# Altium PCB Einsy_Rambo.PcbDoc (part 3 of 4) (continued)
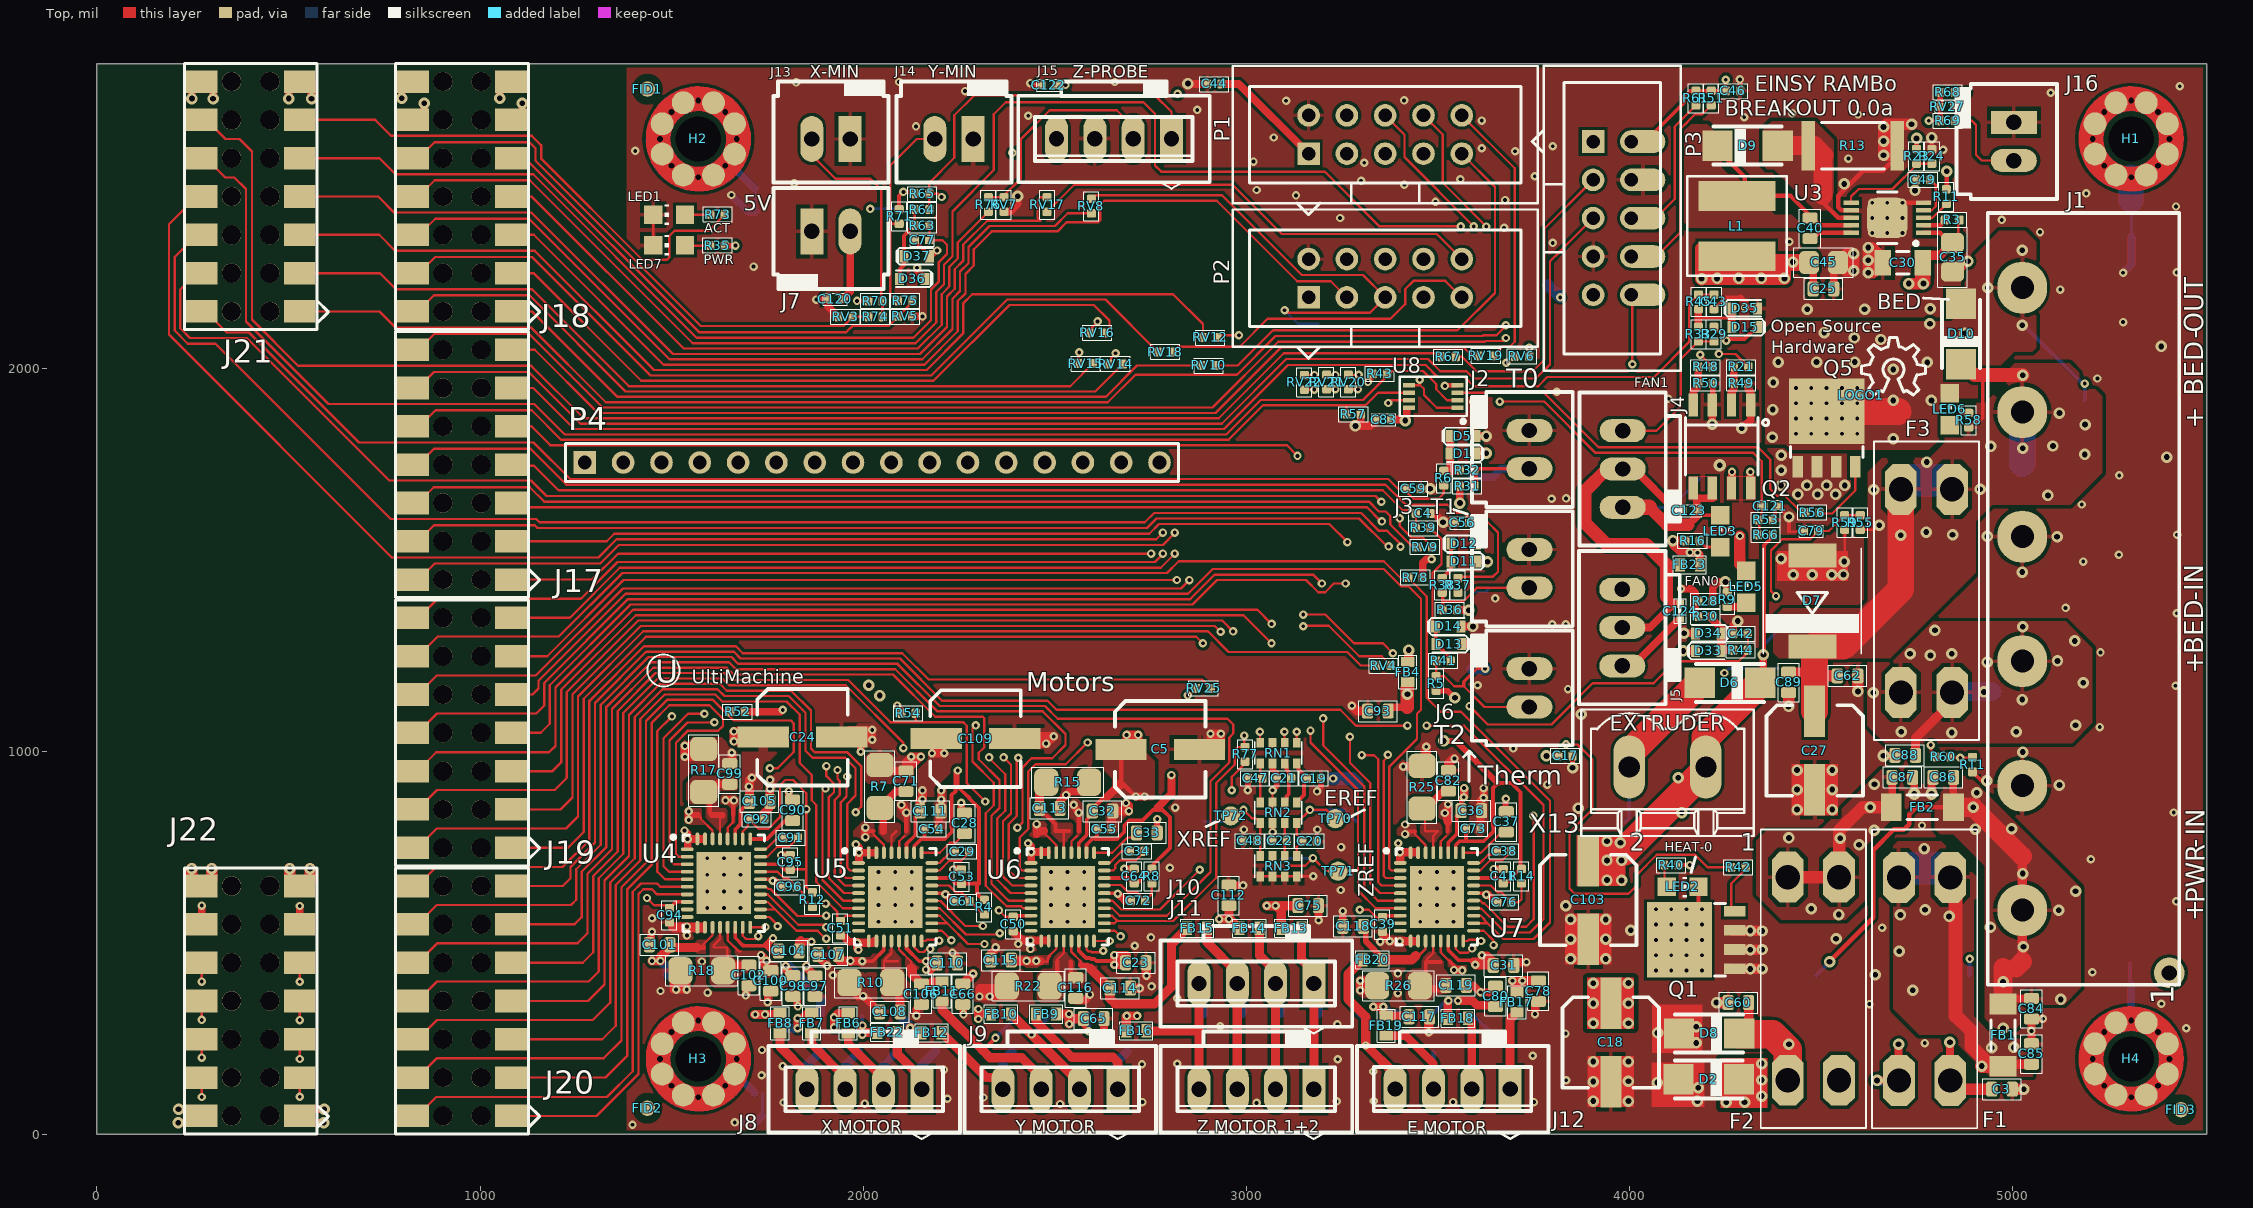
[diagram p0: Top view]
## Nets (pads, with @x,y where several pads share a name; then routed paths per layer and width w, separated by ;. In a path a pad name is that pad's centre, name@x,y a point inside that pad or via, vN(x,y) a via of type N, cw(c..) or ccw(c..) an arc to the next point about the centre after c; other vN are vias at no path point) (continued)
PG3: J18.3 RV16.2 | length 1815.3
  Top w6: J18.3@1080.91,2248.28 1139.76,2248.28 1420.79,1967.25 2183.83,1967.25 2381.83,2165.25 2602.03,2165.25 2643.03,2124.25 2643.03,2105.25 RV16.2@2629.78,2092
PG4: J18.2 RV14.2 | length 2003.8
  Top w6: J18.2@825,2148.28 837.99,2148.28 879.92,2190.21 1128.94,2190.21 1379.9,1939.25 2606.03,1939.25 RV14.2@2677.78,2011
PH2: J17.13 RV19.1 | length 2674.4
  Top w6: J17.13@1080.91,2048.28 1142.91,2048.28 1307.94,1883.25 2920.03,1883.25 3090.78,2054 3567.8,2054 3589.8,2032 RV19.1@3607.08,2032
PH6: J18.1 RV10.2 | length 1928.5
  Top w6: J18.1@1080.91,2148.28 1135.43,2148.28 1358.46,1925.25 2633.03,1925.25 2715.03,2007.25 RV10.2@2883.03,2007.25
PH7: J21.3 RV15.1 | length 2216.9
  Top w6: J21.3@529.33,2248.28 738.19,2248.28 780.51,2205.96 1135.83,2205.96 1388.54,1953.25 2540.93,1953.25 RV15.1@2599.68,2012
PJ2: J19.5 RV20.1 | length 3099.7
  Top w6: J19.5@1080.91,948.28 1189.17,948.28 1211.61,970.73 1211.61,1160.69 1406.18,1355.25 2993.03,1355.25 v2(3066.03,1282.25) ; RV20.1@3266.78,1945.1 v1(3291.68,1945.1)
  Signal Layer 2 w6: v2(3066.03,1282.25) 3068.03,1282.25 3106.78,1321 3106.78,1798 3163.78,1855 3201.58,1855 v1(3291.68,1945.1)
PJ5: J19.3 P3.9 | length 4210.7
  Top w6: J19.3@1080.91,848.28 1210.24,848.28 1241.14,879.19 1241.14,1148.87 1419.52,1327.25 2918.03,1327.25 v1(2933.03,1312.25)
  Signal Layer 2 w6: v1(2933.03,1312.25) 2933.03,1333.25 3034.03,1434.25 3034.03,1854.25 3071.03,1891.25 3071.03,1976.25 3107.03,2012.25 3179.03,2012.25 3233.03,2066.25 3233.03,2140.25 3214.03,2159.25 3214.03,2305.25 3264.03,2355.25 3496.03,2355.25 3556.78,2416 3681.17,2416 3778.53,2318.64 3778.53,2318.35 3791.13,2305.75 3791.42,2305.75 3901.46,2195.71 P3.9@3901.46,2191.71
PK0: J17.4 P3.10 | length 3819.6
  Top w6: J17.4@833.66,1543.56 879.92,1589.82 1142.72,1589.82 1149.61,1582.93 2741.14,1582.93 2765.75,1607.54 3294.75,1607.54 3367.28,1535 v2(3371.78,1535) v2@3372.03,1535.25 ; P3.10@4001.46,2191.71 4008.03,2185.14 v2(4008.03,2010.25)
  Signal Layer 2 w6: v2(3371.78,1535) 3396.8,1560.02 3410.41,1560.02 3566.03,1715.64 3566.03,1833.25 3624.03,1891.25 3672.03,1891.25 3684.03,1903.25 3684.03,1971.25 3656.03,1999.25 3656.03,2022.25 3671.03,2037.25 3696.03,2037.25 3723.03,2010.25 v2(4008.03,2010.25) v2@4007.28,2011
PWR-IN: C84.1 C86.1 FB1.1 FB2.1 J1.1 TP66.TP | length 1402.2
  Top w12: v3(4522.78,451) 4522.78,452 4636.78,566 4636.78,742 4690.78,796 4716.78,796 4730.78,810 4730.78,836 4748.78,854 FB2.1@4845.88,854
  Top w20: FB2.1@4845.88,854 4845.88,931.33 C86.1@4846.55,932 ; FB1.1@4975.78,340.1 4990.45,354.77 C84.1@5049.78,354.77
  Top w24: 5025.78,451 J1.1@5025.78,584.41 ; J1.1@5025.78,623.71 5025.78,726
  Top w50: FB2.1@4845.88,854 v3(4897.78,854) 5025.78,726 ; FB1.1@4975.78,340.1 v3(4975.78,398) 4975.78,435 ; 5009.78,435 5025.78,451
  Bottom w12: TP66.TP@4488.78,416 v3@4523.28,450.5
  other v3: 4975.78,277 5126.03,352.25 5028.78,490 4942.78,541 5120.78,585 5164.78,635 5026.78,681 4902.78,797 4997.78,798 4906.78,892
PWR_MON: C121.1 J21.4 R53.1 R66.1 | length 5011.5
  Top w6: J21.4@273.42,2248.28 260.09,2248.28 217.52,2205.71 217.52,2104.33 243.11,2078.74 391,2078.74 762.79,1706.95 1132.87,1706.95 1173.23,1666.59 3337.69,1666.59 v1(3353.03,1651.25) ; v1(3661.78,1913) 3777.78,1913 3911.78,1779 4323.78,1779 4345.78,1757 4345.78,1614 R53.1@4333.03,1601.25 ; R66.1@4334.88,1565 4339.28,1569.4 R53.1@4339.28,1604
  Signal Layer 2 w6: v1(3353.03,1651.25) 3377.03,1627.25 3377.03,1594.25 3389.03,1582.25 3414.26,1582.25 3547.53,1715.52 3547.53,1833.75 3626.78,1913 v1(3661.78,1913)
RX2: J17.12 P3.5 | length 3610.9
  Top w6: J17.12@825,1948.28 837.79,1948.28 879.92,1990.41 1126.97,1990.41 1262.13,1855.25 2936.03,1855.25 3104.78,2024 3474.78,2024 3506.53,1992.25 3575.03,1992.25 3594.03,1973.25 3756.03,1973.25 3792.78,2010 3792.78,2279.02 ; 3818.78,2305.02 3792.78,2279.02 ; P3.5@3901.46,2391.71 3901.46,2387.71 3792.78,2279.02
RX3: J19.4 RV22.1 | length 3241
  Top w6: J19.4@825,848.28 837.2,848.28 887.79,898.87 1194.88,898.87 1226.38,930.37 1226.38,1154.78 1412.85,1341.25 2937.53,1341.25 v2(2965.78,1313) ; RV22.1@3151.78,1944.1 v1(3177.68,1944.1)
  Signal Layer 2 w6: v2(2965.78,1313) 2965.78,1342 3054.61,1430.83 3054.61,1834.83 3163.88,1944.1 v1(3177.68,1944.1)
SCK: P2.9 RV18.2 U4.3 U5.3 U6.3 U7.3 | length 5806.9
  Top w6: U4.3@1540.93,705.27 1506.51,705.27 1494.78,717 1494.78,1028 1541.78,1075 1611.78,1075 v2(1611.78,1076) ; v2@1956.78,935 1956.78,882 1941.9,867.12 1941.9,682.88 1955.51,669.27 U5.3@1988.31,669.27 ; v2(2404.78,983) 2400.78,979 2400.78,831 2380.28,810.5 2380.28,689.5 2400.51,669.27 U6.3@2438.31,669.27 ; RV18.2@2807.78,2042 2822.03,2056.25 2983.03,2056.25 3055.78,2129 3376.78,2129 3414.78,2167 3414.78,2206 3436.78,2228 3519.78,2228 P2.9@3562.78,2185 ; v2(3369.78,991) 3369.78,986 3359.03,975.25 3359.03,674.75 3364.51,669.27 U7.3@3402.31,669.27
  Signal Layer 2 w6: v2(1611.78,1076) 1738.28,1076 1889.03,925.25 1928.03,925.25 1930.03,927.25 1951.03,927.25 v2(1958.03,934.25) ; v2@1958.03,935 2001.78,935 2100.78,1034 2218.78,1034 2304.78,948 2369.78,948 v2(2404.78,983) 2421.28,966.5 3344.28,966.5 3344.78,966 v2(3369.78,991) 3346.28,1014.5 3326.28,1014.5 3311.78,1029 3311.78,1448.5 3285.28,1475 3238.78,1475 3197.78,1516 3197.78,1812 3562.78,2177 P2.9@3562.78,2185
SCL: J19.11 P3.6 R61.1 | length 4504.3
  Top w6: J19.11@1080.91,1248.28 1175.2,1248.28 1374.17,1447.25 v2(2819.03,1447.25) ; P3.6@4001.46,2391.71 P3.6@4005.46,2391.71 4068.49,2391.71 4118.78,2442 4118.78,2631.1 ; 4153.78,2666.1 4118.78,2631.1 ; R61.1@4174.03,2686.35 4118.78,2631.1
  Signal Layer 2 w6: v2@2820.78,1447 2820.78,1450.32 2889.67,1519.22 2889.67,1762.11 2845.03,1806.75 2845.03,2078.25 2915.03,2148.25 2978.03,2148.25 3075.03,2245.25 3075.03,2329.25 ; 3075.03,2329.75 3075.03,2329.25 ; P3.6@4001.46,2391.71 3942.92,2450.25 3870.03,2450.25 3702.03,2618.25 3435.03,2618.25 3406.03,2589.25 3406.03,2543.25 3329.78,2467 3212.78,2467 3075.03,2329.25
SD_SS: J19.2 RV4.2 | length 2969.1
  Top w6: J19.2@825,748.28 836.61,748.28 886.81,798.48 1224.41,798.48 1255.91,829.98 1255.91,1142.97 1426.19,1313.25 2900.03,1313.25 2954.03,1259.25 3263.53,1259.25 3298.78,1224 RV4.2@3339.78,1224
SDA: J19.10 P3.8 R51.1 | length 4980.9
  Top w6: J19.10@825,1148.28 837.01,1148.28 886.81,1198.09 1145.67,1198.09 1372.83,1425.25 2830.03,1425.25 v2(2851.78,1447) ; P3.8@4001.46,2291.71 P3.8@4005.46,2291.71 4070.49,2291.71 4132.78,2354 4132.78,2624 ; 4151.78,2643 4132.78,2624 ; R51.1@4214.03,2686.35 4190.68,2663 4171.78,2663 4132.78,2624
  Signal Layer 2 w6: v2(2851.78,1447) 2905.78,1501 2905.78,1770 2859.53,1816.25 2859.53,2068.75 2924.03,2133.25 2984.03,2133.25 3090.03,2239.25 3090.03,2323.25 3219.03,2452.25 3336.03,2452.25 3420.03,2536.25 3420.03,2581.25 3442.03,2603.25 3696.03,2603.25 3866.03,2433.25 3925.03,2433.25 3948.03,2410.25 3948.03,2345.14 P3.8@4001.46,2291.71
TACH_0: C42.1 J17.9 R44.1 | length 3934.2
  Top w6: J17.9@1080.91,1848.28 1134.25,1848.28 1183.28,1799.25 3105.53,1799.25 v1(3133.78,1771) ; v2(3148.78,1357) 3206.28,1357 3281.28,1282 3356.78,1282 v2(3382.78,1256) ; v2(3582.78,1118) 3630.78,1070 3796.78,1070 3904.78,1178 4063.78,1178 4120.78,1235 4285.78,1235 4309.68,1258.9 R44.1@4309.68,1264 4309.68,1306.8 C42.1@4309.48,1307
  Signal Layer 2 w6: v1(3133.78,1771) 3128.78,1766 3128.78,1609 3148.78,1589 v2(3148.78,1357) ; v2(3382.78,1256) 3400.78,1238 3494.78,1238 3582.78,1150 v2(3582.78,1118)
TACH_1: C43.1 J17.11 R45.1 | length 3433.3
  Top w6: J17.11@1080.91,1948.28 1138.58,1948.28 1245.61,1841.25 2942.03,1841.25 3109.03,2008.25 3468.53,2008.25 3499.53,1977.25 3570.03,1977.25 3594.03,1953.25 3762.03,1953.25 3786.03,1977.25 4065.03,1977.25 4156.03,2068.25 4156.03,2167.65 R45.1@4180.78,2192.4 ; R45.1@4181.53,2192.2 C43.1@4221.33,2192.2
THERM0: C59.1 J21.2 R6.2 | length 3477.2
  Top w6: J21.2@273.42,2148.28 283.8,2148.28 338.58,2093.5 396.65,2093.5 683.8,1806.36 1139.76,1806.36 1235.24,1710.88 3370.9,1710.88 3396.49,1685.29 C59.1@3417.32,1685.29 3417.32,1678.46 3436.78,1659 3501.78,1659 3515.78,1673 R6.2@3515.78,1694 R6.2@3516.78,1693
THERM1: C56.1 J17.8 R37.2 | length 3159.1
  Top w6: J17.8@826.77,1736.47 879.92,1789.62 1131.89,1789.62 1225.39,1696.12 3363.66,1696.12 3415.78,1644 3524.78,1644 3546.78,1622 3569.78,1622 3592.78,1599 3629.28,1599 3657.03,1571.25 3657.03,1469 3644.03,1456 3556.78,1456 R37.2@3552.78,1452
  Top w10: R37.2@3552.78,1448 R37.2@3554.78,1450
THERM2: C4.1 J17.7 R39.2 | length 2453
  Top w6: J17.7@1080.91,1748.28 1083.86,1745.33 1140.75,1745.33 1204.72,1681.36 3356.42,1681.36 3408.78,1629 3435.08,1629 C4.1@3443.08,1621 3443.08,1583.3 R39.2@3442.78,1583
TX2: J21.12 R67.1 | length 3889.3
  Top w6: J21.12@273.42,2648.28 285.77,2648.28 335.63,2598.43 372.05,2598.43 404.53,2565.95 404.53,2126.97 525.34,2006.16 1133.86,2006.16 1270.76,1869.25 2928.03,1869.25 3097.78,2039 3499.88,2039 R67.1@3508.88,2030
TX3: J19.6 RV21.1 | length 3257.5
  Top w6: J19.6@825,948.28 836.81,948.28 885.83,997.3 1180.12,997.3 1196.85,1014.03 1196.85,1166.59 1399.51,1369.25 3029.54,1369.25 v2(3066.28,1332.5) v2@3066.03,1332.25 ; RV21.1@3209.78,1945.1 v1(3232.88,1945.1)
  Signal Layer 2 w6: v2(3066.28,1332.5) 3069.61,1335.83 3069.61,1823.83 3135.78,1890 3190.78,1890 3232.88,1932.1 v1(3232.88,1945.1)
VCC: C17.1 C25.1 C44.1 C45.1 C46.2 C83.1 C120.2 C122.2 D15.K D33.K D36.K FB4.1 FB23.1 J7.2 J15.4 J22.13 J22.14 L1.2 P1.1 P3.1 P3.2 R9.1 R11.2 R16.1 R23.2 R28.2 R29.2 R35.2 R51.2 R52.2 R54.2 R60.2 R61.2 R65.2 R68.2 R70.1 R71.1 R77.2 R78.2 TP32.TP U8.8 | length 5674.2
  Top w6: v1(2962.03,898.25) 2962.03,933.25 2997.03,968.25 R77.2@2997.03,973.25
  Top w8: R29.2@4221.28,2107.9 v1@4252.93,2076.25 ; v2(4787.03,1016.25) 4787.03,998.25 R60.2@4800.03,985.25
  Top w10: v1(1984.03,2175.75) 1982.03,2175.75 1982.03,2175.25 R70.1@2013.13,2175.25 ; R71.1@2094.03,2415.15 2094.03,2449.25 v1(2105.03,2460.25) 2130.03,2460.25 R65.2@2135.03,2455.25 ; P3.2@4005.46,2591.71 4041.49,2591.71 4142.78,2693 4142.78,2709 4157.78,2724 C46.2@4251.78,2724 ; R61.2@4174.33,2724.55 R61.2@4174.03,2724.25 R51.2@4214.03,2724.25 4251.53,2724.25 C46.2@4251.78,2724 ; v1(4251.78,2753) C46.2@4251.78,2724 ; v1@4252.93,2076.25 4301.03,2076.25 4332.03,2107.25 D15.K@4334.5,2107.25 ; R68.2@4849.78,2720 v1(4878.78,2720)
  Top w12: v3(3783.78,988) C17.1@3814.08,988 ; R23.2@4749.78,2572 v3(4749.78,2600) ; R11.2@4827.78,2467 4828.78,2468 v4(4828.78,2514)
  Top w15: R35.2@1638.78,2320 v1(1666.78,2320) ; v1(2089.03,1119.25) 2099.11,1109.17 R54.2@2099.11,1099.41
  Top w20: R52.2@1691.03,1103.25 1785.03,1103.25 v1(1790.03,1108.25) ; C120.2@1945.48,2179.5 1966.03,2200.06 J7.2@1966.03,2357.25 ; v1(2141.03,2262.25) 2141.03,2253.72 D36.K@2161.5,2233.25 ; C122.2@2503.48,2738.25 v1@2528.03,2738.25 ; C44.1@2935.48,2742 2980.78,2742 P1.1@3162.78,2560 ; C83.1@3377.98,1866 3418.78,1866 3419.03,1866.25 3419.03,1890.72 ; R78.2@3460.78,1455 3460.78,1492.5 3469.53,1501.25 v2(3484.03,1501.25) ; v3(4140.78,1262) D33.K@4172.31,1262 ; R16.1@4144.93,1550.25 v3(4114.03,1550.25) 4114.03,1538.58 4130.03,1522.58 4152.49,1522.58 4156.82,1518.25 v2@4157.03,1518.25 ; v2(4158.03,1519.25) v2@4157.03,1518.25 ; FB23.1@4184.21,1487.25 4184.21,1514.07 4180.03,1518.25 v2(4178.03,1518.25) v2@4157.03,1518.25 ; R28.2@4217.78,1392 4217.78,1429 4231.03,1442.25 v3(4251.03,1442.25) 4255.78,1437.5 R9.1@4255.78,1414.9 ; C45.1@4469.38,2276 4480.01,2265.37 C25.1@4480.01,2207
  Top w25: FB4.1@3421.78,1233.18 3424.03,1235.43 v3(3424.03,1264.25)
  Top w30: J22.14@247.05,661.42 v3(247.05,693.9) ; J22.14@299.21,666.34 v3(299.21,693.9) ; J22.13@502.95,658.47 v3(502.95,693.9) ; J22.13@556.1,659.45 v3(556.1,693.9) ; v3@4345.03,2245 4394.28,2245 v3(4405.03,2234.25)
  Top w35: L1.2@4188.78,2312 v3@4188.78,2234.25 ; L1.2@4345.03,2304.25 v3@4345.03,2245 ; 4403.03,2276 4405.03,2274 v3(4405.03,2234.25) v3(4345.03,2234.25) ; v3@4188.78,2234.25 v3@4189.03,2234.25 ; v3@4188.78,2234.25 v3(4188.78,2234) v3@4189.03,2234.25 ; v3@4189.03,2234.25 4199.78,2245 v3@4345.03,2245 ; v3@4189.03,2234.25 v3(4229.03,2234.25) v3(4286.03,2234.25) v3(4345.03,2234.25) ; v3(4345.03,2234.25) v3@4345.03,2245
  Top w45: L1.2@4367.78,2276 4403.03,2276 C45.1@4469.38,2276
  Signal Layer 1 w20: v2@4158.03,1518.25 v2(4158.03,1519.25)
  Signal Layer 1 w30: v3@250.5,693.9 327.42,693.9 331,697.48 371.76,697.48 375.34,693.9 427.42,693.9 431,697.48 471.76,697.48 475.34,693.9 578.74,693.9 882.87,998.03 1046.26,998.03 1220.47,1172.24 ; 1354.33,1172.24 1220.47,1172.24 ; v3(2043.31,1145.67) 2016.73,1172.24 v3(2014.76,1172.24) 1220.47,1172.24
  Signal Layer 2 w12: v3@4423.78,2276 v3@4429.03,2276 ; v3(4426.78,2277) v3@4430.03,2277
  Signal Layer 2 w20: v3@4430.03,2277 4749.78,2596.75 v3(4749.78,2600)
  Bottom w30: TP32.TP@3788.78,2216 v1(3819.78,2185)
  other v1: 4253.03,2072.25 2528.03,2739.25
  other v3: 3415.03,1863.25
VCC-FAN: C123.2 C124.2 FB23.2 J4.2 J5.2 TP33.TP | length 1447
  Top w20: J5.2@3981.78,1323 4053.78,1323 4115.73,1384.95 ; J4.2@3982.78,1737 4012.78,1737 4121.53,1628.25 C123.2@4138.33,1628.25 ; 4097.03,1403.65 4115.73,1384.95 ; 4097.03,1487.25 FB23.2@4131.85,1487.25 ; C124.2@4133.03,1384.95 4115.73,1384.95
  Top w34: J4.2@3982.78,1737 3941.78,1737 3884.03,1679.25 3884.03,1596.25 3940.03,1540.25 4044.03,1540.25 4097.03,1487.25 4097.03,1403.65
  Signal Layer 2 w8: J5.2@3981.78,1323 4010.28,1323 4128.78,1204.5 v2(4248.28,1204.5)
  Bottom w8: v2(4248.28,1204.5) 4259.78,1216 TP33.TP@4388.78,1216
VCC-MOT: C41.2 C53.2 C54.2 C55.2 C64.2 C73.2 C92.2 C93.2 C95.2 FB4.2 R4.2 R8.2 R12.2 R14.2 TP8.TP U4.26 U4.30 U5.26 U5.30 U6.26 U6.30 U7.26 U7.30 | length 5321.8
  Top w6: U4.30@1685.61,771.21 1685.61,790.84 1698.78,804 1698.78,814 1704.78,820 1726.78,798 1752.78,798 1783.12,828.34 1783.12,911.34 1796.78,925 1816.78,925 1851.28,890.5 1851.28,849.5 v2(1851.78,849) ; C95.2@1809.78,692 1848.78,692 1851.78,695 ; v2@1851.78,848 1851.78,695 ; R12.2@1869.78,628 1851.78,646 1851.78,695 ; 2297.28,655 2302.03,655 ; C64.2@2705.78,655 C64.2@2715.78,655 ; C41.2@3669.78,655 C41.2@3670.78,655 C41.2@3677.78,655
  Top w9.5: U4.26@1731.87,705.27 U4.26@1732.07,705.27 1780.02,705.27 1794.28,691 C95.2@1809.78,691 ; U5.30@2132.99,735.21 2132.99,752.33 2151.91,771.25 2159.78,771.25 2213.03,771.25 2231.03,789.25 2231.03,801.25 ; U5.26@2179.45,669.27 2226.02,669.27 2229.03,666.25 2230.03,666.25 2241.28,655 2302.03,655 ; U6.30@2582.99,735.21 2582.99,756.21 2599.78,773 2603.78,773 ; C55.2@2610.78,797 2610.78,780 2603.78,773 ; U6.26@2629.25,669.27 2691.51,669.27 C64.2@2705.78,655 ; 2730.78,821 2730.06,820.29 2695.06,820.29 2682.03,807.25 2682.03,790.25 2663.03,771.25 2605.53,771.25 2603.78,773 ; U7.30@3546.99,735.21 3546.99,755.21 3556.78,765 3573.78,765 ; C73.2@3573.78,796 3573.78,765 ; U7.26@3593.25,669.27 3635.42,669.27 3635.94,668.75 3655.62,668.75 3655.95,669.08 3656.08,668.95 3656.83,668.95 C41.2@3670.78,655 ; 3644.34,789.57 3619.78,765 3573.78,765 ; 3644.5,791.72 3644.5,805
  Top w10: v2@1851.78,848 v2(1851.78,849) ; 2159.78,771.25 C54.2@2159.78,797 ; 2231.03,801.25 2231.03,885.54 2240.78,895.28 2240.78,944 v2(2246.78,950) 2246.78,908 2262.78,892 2263.72,892 2277.78,877.94 2277.78,876.06 2302.03,851.81 2302.03,655 ; 2297.28,655 2297.28,628.5 2308.78,617 R4.2@2316.78,617 ; C64.2@2714.78,655 R8.2@2751.16,691.38 ; 2730.78,821 2756.78,847 2762.78,847 ; R8.2@2752.16,691.38 2752.16,699.38 2800.78,748 2800.78,828 2781.78,847 2767.78,847 ; 3644.5,805 3644.5,904.34 3657.16,917 3692.16,917 3716.16,893 3716.16,693.38 C41.2@3677.78,655
  Top w16: v3(3515.78,1027) 3547.16,1027 3657.16,917
  Top w20: 2767.78,852 2804.78,889 v2(2804.78,938) ; C93.2@3370.55,1105 3380.55,1115 3420.78,1115
  Top w35: 3420.78,1115 v3(3420.78,1149) FB4.2@3420.78,1167.82
  Signal Layer 2 w22: v2(1851.78,849) 1865.78,863
  Signal Layer 2 w35: 1875,863 1930.78,863 1952.78,885 2011.78,885 2076.78,950 v2(2246.78,950) 2260.78,950 2291.78,919 2407.78,919 2426.78,938 v2(2804.78,938) 3227.78,938 3241.78,924 3433.78,924 3517.78,1008 3517.78,1088 3490.78,1115 3420.78,1115 v3(3420.78,1149)
  Bottom w35: v2(3226.78,929) 3275.78,929 TP8.TP@3288.78,916
VMOT: C3.1 C5.1 C18.1 C23.2 C24.1 C28.2 C30.1 C31.2 C32.2 C33.2 C35.1 C36.2 C37.2 C90.2 C104.2 C105.2 C109.1 C110.2 C111.2 D2.K F1.2 R3.2 U3.1 U4.16 U4.31 U5.16 U5.31 U6.16 U6.31 U7.16 U7.31 | length 5948.9
  Top w6: C36.2@3551.78,833 C36.2@3564.39,833 ; C35.1@4843.78,2338.17 4861.94,2338.17 4858.78,2341.33 4858.78,2379 R3.2@4866.78,2387
  Top w9.5: U4.16@1665.93,540.9 1665.93,513.21 1686.02,493.11 1687.56,493.11 1688.54,492.13 1722.32,492.13 1722.45,492.25 1742.12,492.25 1742.75,491.63 1743.24,492.13 1747.05,492.13 ; U4.31@1665.93,771.21 1665.93,796.15 1679.78,810 1679.78,845.77 C105.2@1703.01,869 ; U5.16@2113.31,504.9 2113.31,484.98 2146.51,451.77 v2(2164.37,451.77) ; U5.31@2113.31,735.21 2113.31,758.78 2135.78,781.25 2135.78,830.77 C111.2@2149.01,844 ; U6.16@2563.31,504.9 2563.31,479.02 2581.69,460.63 2590.55,460.63 2591.07,460.11 2593.41,460.11 2595.7,457.82 2603.19,457.82 2608.25,452.76 2652.56,452.76 2655.78,455.98 v2(2655.78,468) ; U6.31@2563.31,735.21 2563.31,761.28 2583.78,781.75 2583.78,822 2598.01,836.23 C32.2@2598.01,844 ; U7.16@3527.31,504.9 3527.31,481.55 3554.13,454.72 3604.73,454.72 3618.01,468 C31.2@3645.01,441 ; U7.31@3527.31,735.21 3527.31,761.88 3549.53,784.1 3549.53,830.02 3548.78,830.77 C36.2@3561.01,843
  Top w11.5: U3.1@4767.95,2353.21 4811.94,2353.21 C35.1@4821.1,2344.05
  Top w12: C32.2@2598.01,844 2598.01,849.23 2627.03,878.25 ; 2673.42,965.25 2673.42,924.64 ; C5.1@2673.42,1015 2673.42,1005.36 2673.42,924.64 ; 2681.78,910 2683.05,910 ; v2@2711.05,882 2683.05,910 ; C36.2@3561.01,843 C36.2@3561.01,845 3561.01,873.23 v2(3567.78,880) ; 2627.03,878.25 2673.42,924.64 ; 2627.03,878.25 2641.03,878.25 2669.42,906.64 2673.42,906.64 2673.42,919.64 ; 2673.42,919.64 2673.42,924.64 ; 2673.42,919.64 2683.05,910
  Top w16: C28.2@2255.78,845.39 2263.78,837.39 C28.2@2263.16,836.77 ; C33.2@2767.55,787 v2@2767.55,817.23 ; C37.2@3677.16,836.77 v2@3677.16,867
  Top w18: v2(1764.78,512) 1747.78,495 C104.2@1771.39,471.39
  Top w20: v2(1806.03,896.25) 1806.03,882.52 C90.2@1815.78,872.77 ; v2(2256.03,865.25) 2256.03,847.52 C28.2@2264.78,838.77 ; v2@2711.05,882 v2(2734.78,882) ; v2@3593.5,451.77 3614.01,451.77 3624.78,441 ; v2(3597.78,443) 3599.78,441 3624.78,441 ; v2(3615.16,467.52) 3617.53,467.52 3618.01,468 3629.44,468 3648.78,448.66 C31.2@3648.78,433 ; C31.2@3645.01,441 3624.78,441 ; v3(4646.78,141) F1.2@4703.78,141 4702.78,142 v3(4702.78,235) ; v3(4837.03,240.25) 4837.03,141.75 F1.2@4837.78,141
  Top w22: v2(2164.37,430.12) 2176.13,430.12 C110.2@2193.01,447 v2@2171.78,447 ; v2(2164.37,451.77) 2180.55,451.77 2176.4,447.62 2185.02,439 C110.2@2196.78,439 ; v2(2179.78,995) v2(2211.78,995) ; C5.1@2673.05,1005 2673.42,1005.36 2687.78,1019.73 v2(2687.78,1043) v2(2717.78,1043) C5.1@2717.78,990 ; v2(3567.78,880) 3568.78,881 v2(3568.78,904) ; 2655.78,456 v2(2655.78,468) 2687.78,468 2687.78,450.77 C23.2@2685.01,448 ; 2655.78,456 2663.78,448 C23.2@2685.01,448 ; 2655.78,456 v2(2655.78,443) 2680.01,443 C23.2@2685.01,448 ; v2(1662.78,1026) v2(1662.78,1052) 1724.42,1052 C24.1@1739.42,1037 1728.42,1026 v2(1662.78,1026)
  Top w24: C105.2@1703.01,869 1703.01,924.23 v2(1709.78,931) v2@1710.78,931 ; C111.2@2149.01,844 2149.01,871.23 2154.78,877 v2(2154.78,898) ; C30.1@4765.94,2275 4785.94,2295 4811.38,2295 C35.1@4843.78,2327.4
  Top w30: v3(4729.78,2221) v3@4761.96,2221 ; F1.2@4860.78,118 C3.1@4946.01,118
  Top w40: v3@4765.94,2224.99 C30.1@4765.94,2275
  Supply w44: 4746.03,2221.25 4821.03,2221.25 4990.03,2052.25
  Supply w56: 4826.03,287.25 4878.03,339.25 5038.03,339.25 5340.03,641.25 5340.03,1997.25 5285.03,2052.25 4990.03,2052.25
  Signal Layer 2 w24: v2(1701.78,908) 1701.78,923 v2(1709.78,931)
  Bottom w25: v3@4644.03,138.25 F1.2@4701.03,138.25
  other v2: 2767.78,823 2154.78,874 3677.78,876 2712.05,882
  other v3: 4252.78,84 4300.78,84 4345.78,100 4345.78,142 4345.78,185 3905.78,290 3997.78,290 3905.78,342 3997.78,342 3905.78,394.73 3997.78,395 4767.78,2221
X-DCEN: P4.3 U4.18 | length 1776
  Top w6: U4.18@1705.3,540.9 1744.64,540.9 v2(1745.08,541.34)
  Signal Layer 1 w6: P4.3@1473.62,1753.94 1524.8,1702.76 1558.07,1702.76 2111.22,1149.61 2111.22,1111.22 2096.46,1096.46 1945.87,1096.46 1843.5,994.09 1843.5,875 1821.85,853.35 1821.85,639.76 1745.08,562.99 v2(1745.08,541.34)
X-DCIN: P4.4 U4.19 | length 1734.9
  Top w6: U4.19@1732.07,567.47 1755.36,567.47 1776.57,546.26 v2(1776.57,543.31)
  Signal Layer 1 w6: P4.4@1573.62,1753.94 1573.62,1714.76 2127.95,1160.43 2127.95,1099.41 2110.24,1081.69 1951.77,1081.69 1873.03,1002.95 1873.03,837.6 1838.58,803.15 1838.58,628.94 1776.57,566.93 v2(1776.57,543.31)
X-DCO: P4.2 U4.17 | length 1865.8
  Top w6: U4.17@1685.61,540.9 1685.61,518.29 1694.06,509.84 1719.49,509.84 v2@1724.6,514.95
  Signal Layer 1 w6: P4.2@1373.62,1753.94 1447.44,1680.12 1552.17,1680.12 2069.88,1162.4 2069.88,1135.83 2044.29,1110.24 1940.94,1110.24 1829.72,999.02 1829.72,888.78 1807.09,866.14 1807.09,711.61 1791.34,695.87 1791.34,629.92 1714.57,553.15 1714.57,529.53 v2(1726.38,517.72)
X-DIR: J20.1 U4.7 | length 985.9
  Top w6: J20.1@1080.71,48.28 1303.94,48.28 1413.39,157.73 1413.39,627.22 1426.18,640.02 1448.76,640.02 1462.25,626.53 U4.7@1540.73,626.53 U4.7@1540.93,626.53
X-EN: J20.7 U4.22 | length 2477.9
  Top w6: J20.7@1080.71,348.28 1282.09,348.28 1324.8,391 1324.8,662.65 1388.78,726.63 1388.78,1095 1470.03,1176.25 1626.03,1176.25 1644.03,1158.25 1812.03,1158.25 1863.78,1106.5 1863.78,1007.25 1873.78,997.25 1959,997.25 1994.78,961.47 1994.78,855 v2(1980.78,841) ; U4.22@1731.9,626.5 1751.28,626.5 1830.78,547 1897.78,547 v2(1903.78,541)
  Signal Layer 2 w6: v2(1903.78,541) 1900.78,541 1872.57,569.2 1872.57,583.07 1866.14,589.5 1866.14,661.73 1865.68,662.2 1865.68,670.48 1866.14,670.95 1866.14,671.26 1890.78,695.9 1890.78,751 v2(1980.78,841)
X-STEP: J20.2 U4.6 | length 1245.3
  Top w6: J20.2@824.8,48.28 836.42,48.28 885.83,97.69 1331.69,97.69 1398.62,164.62 1398.62,633.13 1420.28,654.78 1462,654.78 1470.57,646.21 U4.6@1540.73,646.21 U4.6@1540.93,646.21
X_0A1: C98.1 FB6.1 TP75.TP U4.34 | length 1392.9
  Top w6: v2@1541.78,840 v2@1542.78,839 ; v2@1543.78,838 v2@1542.78,839 ; 1553.78,834 1545.78,842 1544.78,841 v2@1542.78,839 ; 1575.98,827.8 1575.98,824.04 1606.87,793.15 U4.34@1606.87,771.21
  Top w15: 1553.78,834 1569.78,834
  Top w22: v2(1544.78,821) 1544.78,841 v2(1544.78,843) ; v2(1798.03,439.25) 1798.03,432.25 C98.1@1816.28,414 ; v1(1924.03,279.25) v1(1924.03,305.25) 1935.03,316.25 FB6.1@1961.03,316.25
  Signal Layer 2 w22: 1888.78,286.5 1894.53,292.25 1924.03,292.25 ; 1888.78,316 1899.53,305.25 v1(1924.03,305.25) 1924.03,292.25 ; 1896.03,279.25 v1(1924.03,279.25) 1924.03,292.25
  Signal Layer 2 w24: v2(1544.78,821) v2(1544.78,843) 1547.28,840.5 1675.83,840.5 1676.33,841 1744.78,841 1817.28,768.5 1817.28,716.95 1806.1,705.78 1806.1,705.16 1798.78,697.84 1798.78,563.53 1806.57,555.73 1806.57,530.88 1798.78,523.09 1798.78,448.66 1806.1,441.34 1806.1,405.18 1888.78,322.5 1888.78,316 1888.78,286.5 1896.03,279.25
  Bottom w24: v2(1798.03,439.25) 1806.81,439.25 1888.78,357.28 TP75.TP@1888.78,316
X_0A2: C97.1 FB22.1 TP73.TP U4.32 | length 1115.6
  Top w6: U4.32@1646.24,771.21 1646.78,771.75 1646.78,801 1660.57,814.8 1660.57,834 ; v2@1656.78,872 1659.78,875 v2(1662.78,872) v2@1660.57,869.8
  Top w12: 1660.57,834 v2@1660.57,869.8
  Top w22: v2(1640.78,872) 1656.78,872 v2(1662.78,872) ; v2(1852.03,439.25) 1852.03,436.02 C97.1@1874.28,413.77 ; v1(1998.03,260) v1(1998.03,284)
  Top w24: v1@2000.03,266.25 FB22.1@2036.85,266.25
  Signal Layer 2 w24: v2(1640.78,872) v2(1662.78,872) 1757.78,872 1817.28,812.5 1817.28,812.34 1848.78,780.84 1848.78,704 1829.78,685 1829.78,576.37 1837.57,568.57 1837.57,518.04 1829.78,510.25 1829.78,461.5 v2(1852.03,439.25) 1975.28,316 1988.78,316 1997.03,307.75 v1@1997.03,260
  Bottom w10: v1@1997.03,284 TP73.TP@1997.03,307.75
X_0B1: C101.1 FB8.1 TP1.TP U4.13 | length 700.6
  Top w6: 1581.78,495 1606.87,520.1 U4.13@1606.87,540.9
  Top w12: 1565.78,488 1583.98,488
  Top w24: v2(1448.78,453) v2(1470.78,453) 1470.78,463 1495.55,487.77 C101.1@1495.55,495 ; C101.1@1496.78,488 1565.78,488 ; v2@1717.25,313.25 1779.85,313.25 FB8.1@1783.03,316.43
  Signal Layer 2 w24: v2(1470.78,453) 1462.78,445 1462.78,442 1488.78,416 1594.78,416 1696.53,314.25 v2@1744.81,314.25
  Bottom w24: v2(1448.78,453) v2(1470.78,453) 1488.78,435 TP1.TP@1488.78,416
  other v2: 1718.5,312.99 1744.03,313.25
X_0B2: C100.1 FB7.1 TP74.TP U4.15 | length 671.3
  Top w6: U4.15@1646.24,540.9 1646.24,507.04 1675.92,477.36 1681.03,477.36
  Top w20: v2(1748.03,452.76) 1749.02,452.76 1744.09,457.69 1741.21,460.57 1741.21,445.34 C100.1@1758.78,427.77
  Top w22: v2@1736.22,465.56 v2@1744.09,457.69 ; v1(1829.03,277.25) v1(1829.03,303.25) 1842.03,303.25 FB7.1@1855.03,316.25
  Supply w22: v2@1731.31,470.47 1749.02,452.76 v2(1748.03,452.76) ; v2@1732.3,469.51 1733.38,468.43 v2(1733.38,467.88)
  Signal Layer 2 w22: v2@1731.31,470.47 1747.05,454.73 1749.02,452.76 v2(1748.03,452.76) ; v2@1732.3,469.51 1733.38,468.43 v2(1733.38,467.88) ; 1788.78,292.25 1828.03,292.25 ; 1788.78,316 1799.53,305.25 1828.03,305.25 1828.03,292.25 ; 1791.03,279.25 1828.03,279.25 1828.03,292.25
  Signal Layer 2 w24: v2@1745.09,456.69 v2@1747.05,454.73 ; v2@1745.78,456 1745.78,407 1788.78,364 1788.78,316 1788.78,292.25 1788.78,281.5 1791.03,279.25
  Bottom w24: TP74.TP@1788.78,316 1788.78,294.88 1807.09,276.57 1828.36,276.57 v1(1829.03,277.25)
X_DIAG: J20.4 R52.1 U4.20 U4.21 | length 2821.1
  Top w6: J20.4@824.8,148.28 837.01,148.28 887.79,199.07 1322.83,199.07 1369.09,245.33 1369.09,644.94 1433.07,708.91 1433.07,1079.29 1488.03,1134.25 1608.03,1134.25 1662.03,1080.25 1811.53,1080.25 1819.03,1072.75 1819.03,998.25 1776.78,956 v2(1756.78,956) ; U4.20@1731.87,587.16 1770.53,587.16 ; U4.21@1731.87,606.84 1750.94,606.84 1826.53,531.25 1881.53,531.25 1900.78,512 v2@1903.78,512
  Signal Layer 2 w6: v2(1756.78,956) 1778.28,956 1829.03,905.25 1829.03,840.25 1874.78,794.5 1874.78,698.6 1852.36,676.18 1852.36,584.9 1859.57,577.69 1859.57,553.2 1900.78,512 v2@1903.78,512
  other v2: 1903.78,511